# KiCad board Dremel_Battery_Charger.kicad_pcb
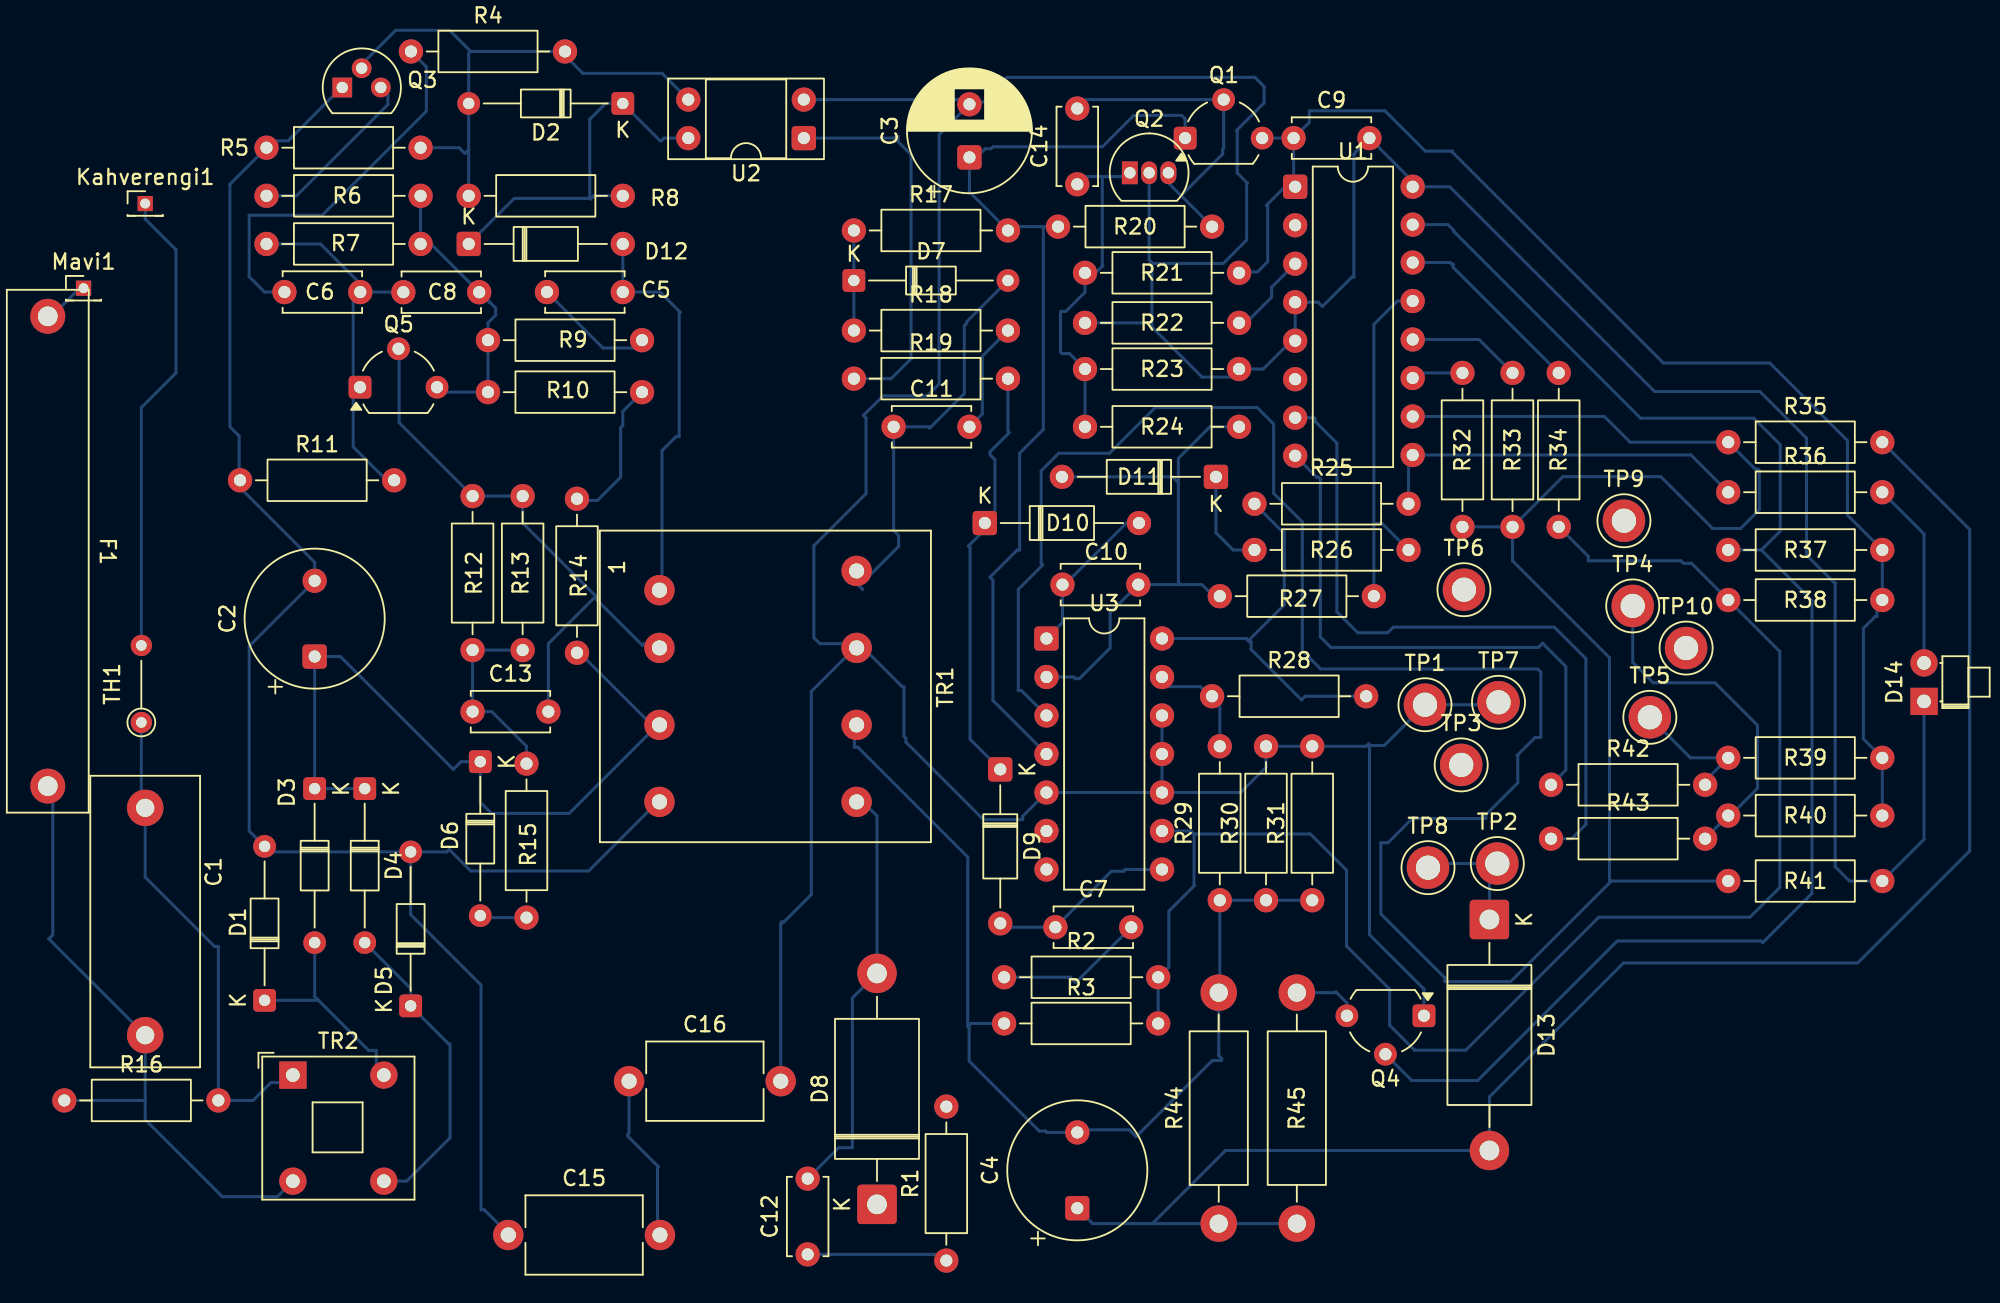
[diagram p0: board, top side]
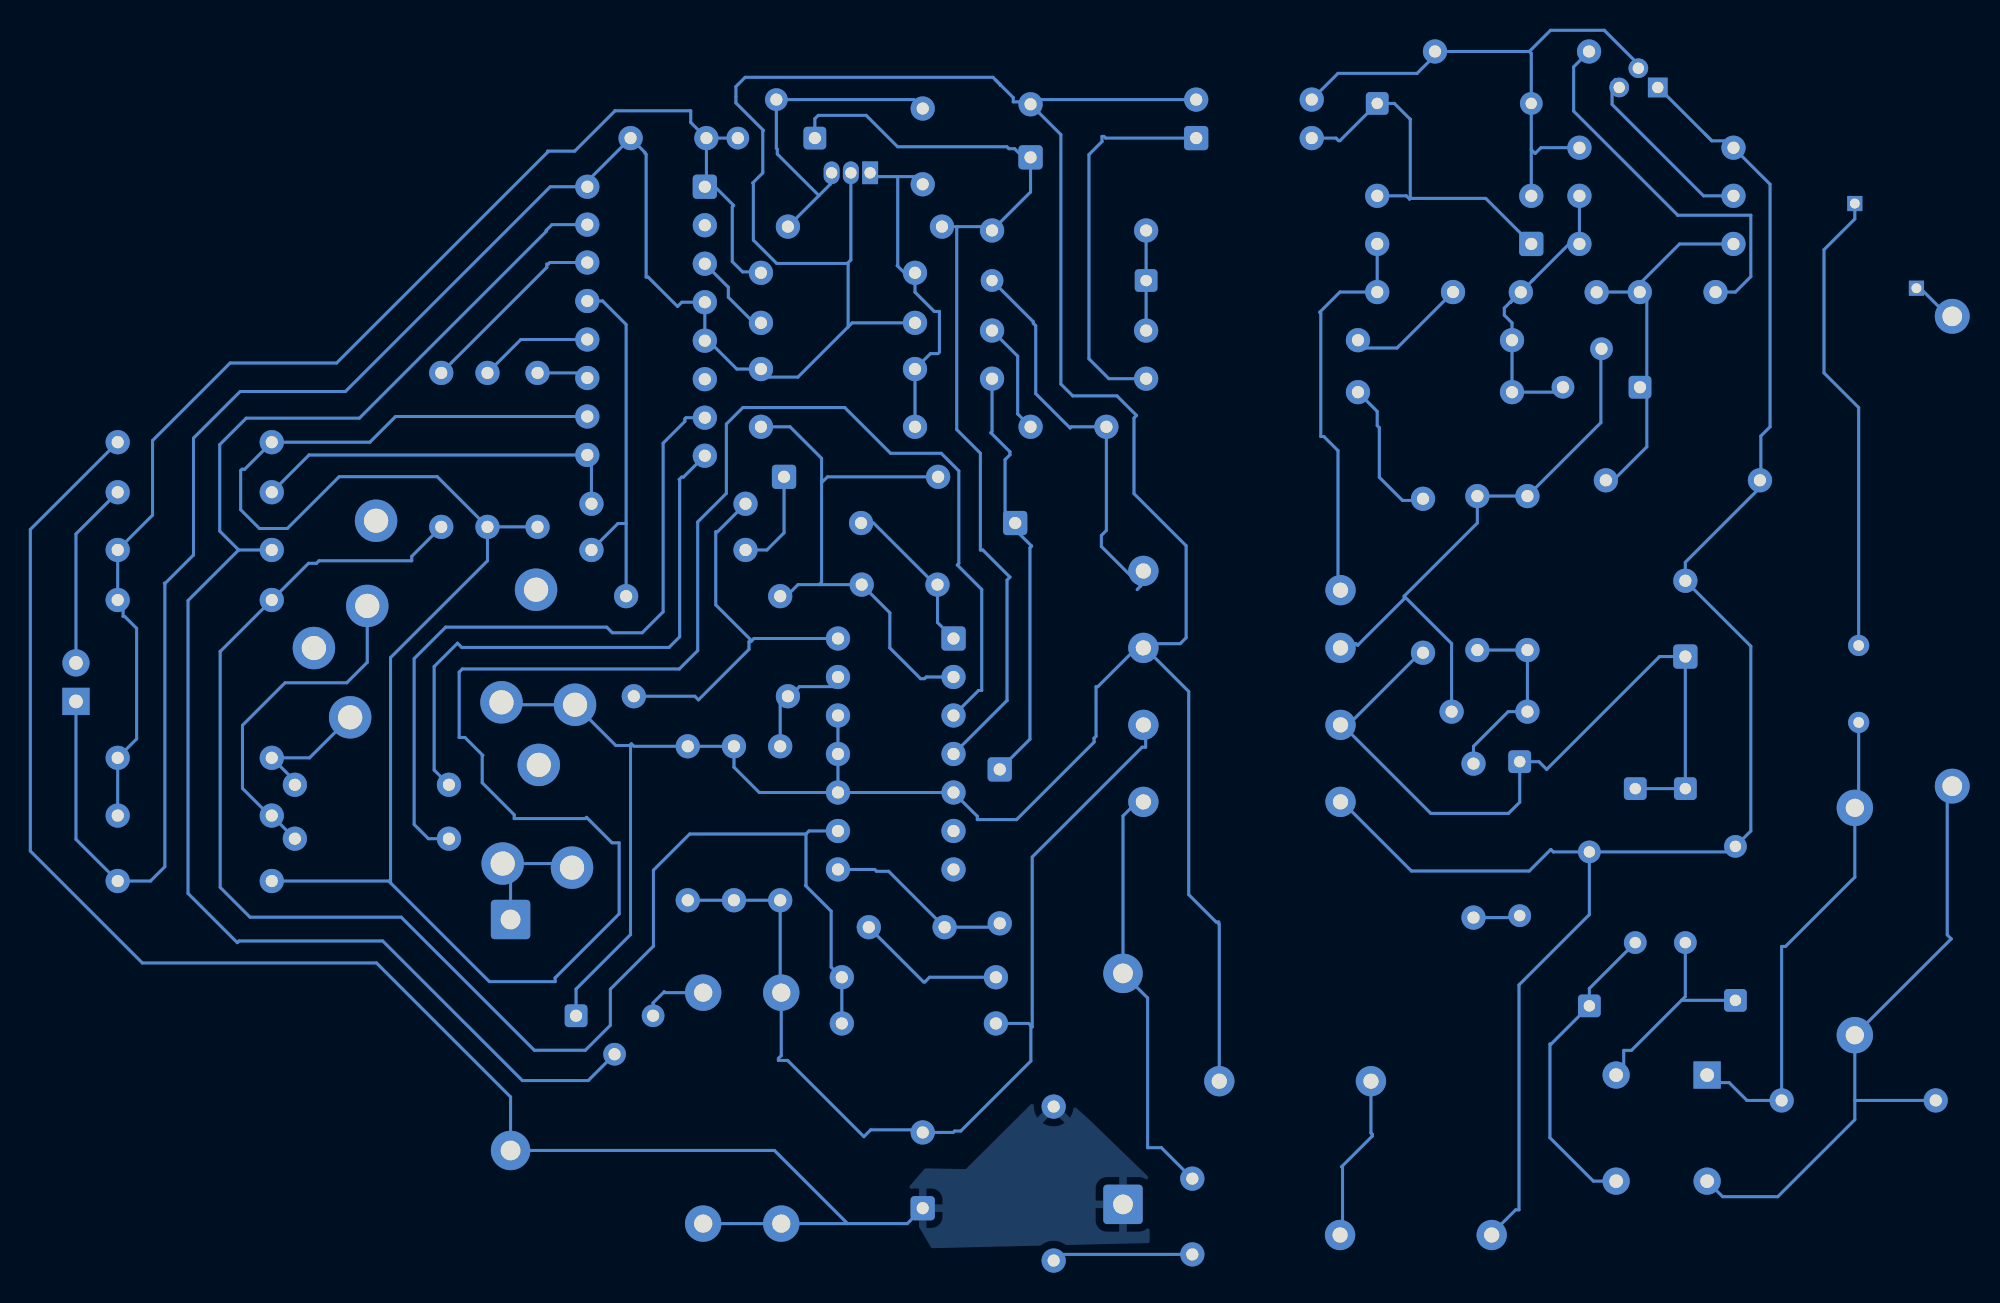
[diagram p1: board, bottom side, seen from below]

No outline. copper layers: Top, Bottom. Coordinates in mm from the lowest, leftmost part position.

## Placement (name value [footprint] x y rotation side)
C1  220nF  [C_Rect_L19.0mm_W7.0mm_P15.00mm_MKS4]  6.42 29.87 270 top
C2  22uF  [CP_Radial_Tantal_D9.0mm_P5.00mm]  17.6 39.86 90 top
C3  220uF  [CP_Radial_D8.0mm_P3.50mm]  60.78 72.8 90 top
C4  470uF  [CP_Radial_Tantal_D9.0mm_P5.00mm]  67.89 3.45 90 top
C5  10nF  [C_Disc_D5.0mm_W2.5mm_P5.00mm]  32.92 63.91 0 top
C6  100nF  [C_Disc_D5.0mm_W2.5mm_P5.00mm]  15.61 63.91 0 top
C7  10nF  [C_Disc_D5.0mm_W2.5mm_P5.00mm]  66.45 22 0 top
C8  1nF  [C_Disc_D5.0mm_W2.5mm_P5.00mm]  23.45 63.9 0 top
C9  100nF  [C_Disc_D5.0mm_W2.5mm_P5.00mm]  82.16 74.07 0 top
C10  2.2nF  [C_Disc_D5.0mm_W2.5mm_P5.00mm]  66.92 44.6 0 top
C11  1 nF  [C_Disc_D5.0mm_W2.5mm_P5.00mm]  55.78 55.02 0 top
C12  1nF  [C_Disc_D5.0mm_W2.5mm_P5.00mm]  50.11 0.41 90 top
C13  1nF  [C_Disc_D5.0mm_W2.5mm_P5.00mm]  28.01 36.22 0 top
C14  1nF  [C_Disc_D5.0mm_W2.5mm_P5.00mm]  67.89 71.02 90 top
C15  2.2 nF  [C_Disc_D7.5mm_W5.0mm_P10.00mm]  30.37 1.69 0 top
C16  2.2 nF  [C_Disc_D7.5mm_W5.0mm_P10.00mm]  38.33 11.84 0 top
D1  D  [D_DO-34_SOD68_P10.16mm_Horizontal]  14.3 17.17 90 top
D2  D  [D_DO-34_SOD68_P10.16mm_Horizontal]  37.92 76.35 180 top
D3  D  [D_DO-34_SOD68_P10.16mm_Horizontal]  17.6 31.14 270 top
D4  D  [D_DO-34_SOD68_P10.16mm_Horizontal]  20.9 31.14 270 top
D5  D  [D_DO-34_SOD68_P10.16mm_Horizontal]  23.93 16.81 90 top
D6  D  [D_DO-34_SOD68_P10.16mm_Horizontal]  28.52 32.92 270 top
D7  D  [D_DO-34_SOD68_P10.16mm_Horizontal]  53.16 64.67 0 top
D8  D  [D_DO-201AE_P15.24mm_Horizontal]  54.68 3.71 90 top
D9  ZPDxx  [D_DO-35_SOD27_P10.16mm_Horizontal]  62.81 32.41 270 top
D10  ZPDxx  [D_DO-35_SOD27_P10.16mm_Horizontal]  61.8 48.67 0 top
D11  ZPDxx  [D_DO-35_SOD27_P10.16mm_Horizontal]  77.04 51.71 180 top
D12  ZPDxx  [D_DO-35_SOD27_P10.16mm_Horizontal]  27.76 67.08 0 top
D13  D  [D_DO-201AE_P15.24mm_Horizontal]  95.07 22.5 270 top
D14  LED  [LED_D1.8mm_W1.8mm_H2.4mm_Horizontal_O1.27mm_Z1.6mm]  123.73 36.9 90 top
F1  Fuse  [Fuseholder_Littelfuse_445_030_series_5x30mm]  0 62.31 270 top
Kahverengi1  TestPoint  [PinHeader_1x01_P1.27mm_Vertical]  6.42 69.75 0 top
Mavi1  TestPoint  [PinHeader_1x01_P1.27mm_Vertical]  2.36 64.16 0 top
Q1  BC546  [TO-92L_Wide]  75 74.07 0 top
Q2  TL431LP  [TO-92_Inline]  71.36 71.78 0 top
Q3  2N3904  [TO-92L]  19.42 77.41 0 top
Q4  2N3904  [TO-92L_Wide]  90.75 16.15 180 top
Q5  STP5NK50Z  [TO-92L_Wide]  20.59 57.63 0 top
R1  10  [R_Axial_DIN0207_L6.3mm_D2.5mm_P10.16mm_Horizontal]  59.26 0 90 top
R2  10k  [R_Axial_DIN0207_L6.3mm_D2.5mm_P10.16mm_Horizontal]  63.07 18.69 0 top
R3  1k  [R_Axial_DIN0207_L6.3mm_D2.5mm_P10.16mm_Horizontal]  63.07 15.65 0 top
R4  4.79k  [R_Axial_DIN0207_L6.3mm_D2.5mm_P10.16mm_Horizontal]  23.95 79.78 0 top
R5  1k  [R_Axial_DIN0207_L6.3mm_D2.5mm_P10.16mm_Horizontal]  14.42 73.43 0 top
R6  33  [R_Axial_DIN0207_L6.3mm_D2.5mm_P10.16mm_Horizontal]  14.42 70.26 0 top
R7  3k  [R_Axial_DIN0207_L6.3mm_D2.5mm_P10.16mm_Horizontal]  14.42 67.08 0 top
R8  2k  [R_Axial_DIN0207_L6.3mm_D2.5mm_P10.16mm_Horizontal]  27.76 70.26 0 top
R9  6k  [R_Axial_DIN0207_L6.3mm_D2.5mm_P10.16mm_Horizontal]  29.03 60.73 0 top
R10  510k  [R_Axial_DIN0207_L6.3mm_D2.5mm_P10.16mm_Horizontal]  29.03 57.3 0 top
R11  1.8k  [R_Axial_DIN0207_L6.3mm_D2.5mm_P10.16mm_Horizontal]  12.68 51.49 0 top
R12  300k  [R_Axial_DIN0207_L6.3mm_D2.5mm_P10.16mm_Horizontal]  28.01 50.44 270 top
R13  300k  [R_Axial_DIN0207_L6.3mm_D2.5mm_P10.16mm_Horizontal]  31.32 50.44 270 top
R14  610k  [R_Axial_DIN0207_L6.3mm_D2.5mm_P10.16mm_Horizontal]  34.9 50.27 270 top
R15  100  [R_Axial_DIN0207_L6.3mm_D2.5mm_P10.16mm_Horizontal]  31.57 22.63 90 top
R16  1M  [R_Axial_DIN0207_L6.3mm_D2.5mm_P10.16mm_Horizontal]  1.09 10.57 0 top
R17  22R  [R_Axial_DIN0207_L6.3mm_D2.5mm_P10.16mm_Horizontal]  53.16 67.97 0 top
R18  470K  [R_Axial_DIN0207_L6.3mm_D2.5mm_P10.16mm_Horizontal]  53.16 61.37 0 top
R19  430  [R_Axial_DIN0207_L6.3mm_D2.5mm_P10.16mm_Horizontal]  53.16 58.19 0 top
R20  2k  [R_Axial_DIN0207_L6.3mm_D2.5mm_P10.16mm_Horizontal]  66.62 68.22 0 top
R21  1k  [R_Axial_DIN0207_L6.3mm_D2.5mm_P10.16mm_Horizontal]  68.4 65.18 0 top
R22  47k  [R_Axial_DIN0207_L6.3mm_D2.5mm_P10.16mm_Horizontal]  68.4 61.87 0 top
R23  1k  [R_Axial_DIN0207_L6.3mm_D2.5mm_P10.16mm_Horizontal]  68.4 58.83 0 top
R24  10k  [R_Axial_DIN0207_L6.3mm_D2.5mm_P10.16mm_Horizontal]  68.4 55.02 0 top
R25  10k  [R_Axial_DIN0207_L6.3mm_D2.5mm_P10.16mm_Horizontal]  79.58 49.94 0 top
R26  39.3k  [R_Axial_DIN0207_L6.3mm_D2.5mm_P10.16mm_Horizontal]  79.58 46.89 0 top
R27  430k  [R_Axial_DIN0207_L6.3mm_D2.5mm_P10.16mm_Horizontal]  77.29 43.84 0 top
R28  10k  [R_Axial_DIN0207_L6.3mm_D2.5mm_P10.16mm_Horizontal]  76.78 37.24 0 top
R29  1k  [R_Axial_DIN0207_L6.3mm_D2.5mm_P10.16mm_Horizontal]  77.29 23.77 90 top
R30  0.22R  [R_Axial_DIN0207_L6.3mm_D2.5mm_P10.16mm_Horizontal]  80.34 23.77 90 top
R31  0.22R  [R_Axial_DIN0207_L6.3mm_D2.5mm_P10.16mm_Horizontal]  83.39 23.77 90 top
R32  6.04k  [R_Axial_DIN0207_L6.3mm_D2.5mm_P10.16mm_Horizontal]  93.29 48.41 90 top
R33  12k  [R_Axial_DIN0207_L6.3mm_D2.5mm_P10.16mm_Horizontal]  96.59 48.41 90 top
R34  29.4k  [R_Axial_DIN0207_L6.3mm_D2.5mm_P10.16mm_Horizontal]  99.64 48.41 90 top
R35  20k  [R_Axial_DIN0207_L6.3mm_D2.5mm_P10.16mm_Horizontal]  110.82 54 0 top
R36  1K  [R_Axial_DIN0207_L6.3mm_D2.5mm_P10.16mm_Horizontal]  110.82 50.7 0 top
R37  10k  [R_Axial_DIN0207_L6.3mm_D2.5mm_P10.16mm_Horizontal]  110.82 46.89 0 top
R38  330K  [R_Axial_DIN0207_L6.3mm_D2.5mm_P10.16mm_Horizontal]  110.82 43.59 0 top
R39  20k  [R_Axial_DIN0207_L6.3mm_D2.5mm_P10.16mm_Horizontal]  110.82 33.17 0 top
R40  2.7k  [R_Axial_DIN0207_L6.3mm_D2.5mm_P10.16mm_Horizontal]  110.82 29.36 0 top
R41  25.5k  [R_Axial_DIN0207_L6.3mm_D2.5mm_P10.16mm_Horizontal]  110.82 25.04 0 top
R42  10k  [R_Axial_DIN0207_L6.3mm_D2.5mm_P10.16mm_Horizontal]  99.13 31.39 0 top
R43  10k  [R_Axial_DIN0207_L6.3mm_D2.5mm_P10.16mm_Horizontal]  99.13 27.84 0 top
R44  300R  [R_Axial_DIN0411_L9.9mm_D3.6mm_P15.24mm_Horizontal]  77.22 2.44 90 top
R45  2.2R  [R_Axial_DIN0411_L9.9mm_D3.6mm_P15.24mm_Horizontal]  82.37 2.44 90 top
TH1  15R NTC  [R_Axial_DIN0204_L3.6mm_D1.6mm_P5.08mm_Vertical]  6.17 35.51 90 top
TP1  TestPoint  [TestPoint_Keystone_5010-5014_Multipurpose]  90.82 36.68 0 top
TP2  TestPoint  [TestPoint_Keystone_5010-5014_Multipurpose]  95.59 26.2 0 top
TP3  TestPoint  [TestPoint_Keystone_5010-5014_Multipurpose]  93.21 32.71 0 top
TP4  NTC  [TestPoint_Keystone_5010-5014_Multipurpose]  104.52 43.2 0 top
TP5  COD  [TestPoint_Keystone_5010-5014_Multipurpose]  105.65 35.85 0 top
TP6  TestPoint  [TestPoint_Keystone_5010-5014_Multipurpose]  93.39 44.27 0 top
TP7  TestPoint  [TestPoint_Keystone_5010-5014_Multipurpose]  95.67 36.84 0 top
TP8  TestPoint  [TestPoint_Keystone_5010-5014_Multipurpose]  91.02 25.93 0 top
TP9  NTC  [TestPoint_Keystone_5010-5014_Multipurpose]  103.94 48.82 0 top
TP10  TestPoint  [TestPoint_Keystone_5010-5014_Multipurpose]  108.04 40.42 0 top
TR1  ~  [charger_trafo]  40.34 44.24 270 top
TR2  common Mode choke  [SW_Push_2P1T_Toggle_CK_PVA1xxH1xxxxxxV2]  16.66 11.74 0 top
U1  ~  [DIP-14_W7.62mm]  82.26 70.86 0 top
U2  PC817  [DIP-4_W7.62mm_Socket]  49.86 74.07 180 top
U3  LM324A  [DIP-14_W7.62mm#2]  65.86 41.05 0 top

## Library data of the parts
C1 C5-C16 = -: Description: Unpolarized capacitor; ki_fp_filters: C_*
C2-C4 = -: Description: Polarized capacitor; ki_fp_filters: CP_*
D1-D8 D13 = -: Description: Diode; Sim.Pins: 1=K 2=A; ki_fp_filters: TO-???* *_Diode_* *SingleDiode* D_*
D9-D12 = -: Datasheet: http://diotec.com/tl_files/diotec/files/pdf/datasheets/zpd1; Description: 500mW Zener Diode, DO-35; ki_fp_filters: D*DO?35*
D14 = -: Description: Light emitting diode; Sim.Pins: 1=K 2=A; ki_fp_filters: LED* LED_SMD:* LED_THT:*
F1 = -: ki_fp_filters: *Fuse*
Kahverengi1 Mavi1 TP1-TP10 = -: Description: test point; ki_fp_filters: Pin* Test*
Q1 = -: Datasheet: https://www.onsemi.com/pub/Collateral/BC550-D.pdf; Description: 0.1A Ic, 65V Vce, Small Signal NPN Transistor, TO-92; ki_fp_filters: TO?92*
Q2 = -: Datasheet: http://www.ti.com/lit/ds/symlink/tl431.pdf; Description: Shunt Regulator, TO-92; ki_fp_filters: TO*92*
Q3 Q4 = -: Datasheet: https://www.onsemi.com/pub/Collateral/2N3903-D.PDF; Description: 0.2A Ic, 40V Vce, Small Signal NPN Transistor, TO-92; ki_fp_filters: TO?92*
Q5 = -: Description: N-MOSFET transistor, gate/drain/source
R1-R45 = -: Description: Resistor; ki_fp_filters: R_*
TH1 = -: Description: Temperature dependent resistor, negative temperature coefficient; ki_fp_filters: *NTC* *Thermistor* PIN?ARRAY* bornier* *Terminal?Block* R_*
U2 = -: Datasheet: http://www.soselectronic.cz/a_info/resource/d/pc817.pdf; Description: DC Optocoupler, Vce 35V, CTR 50-300%, DIP-4; ki_fp_filters: DIP*W7.62mm*
U3 = -: Datasheet: http://www.ti.com/lit/ds/symlink/lm2902-n.pdf; Description: Low-Power, Quad-Operational Amplifiers, DIP-14/SOIC-14/SSOP-14; ki_fp_filters: SOIC*3.9x8.7mm*P1.27mm* DIP*W7.62mm* TSSOP*4.4x5mm*P0.65mm* SSOP*5.3x6.2mm*P0.65mm* MSOP*3x3mm*P0.5mm*

## Footprints (pads in the part's own frame, mm; a bottom-side part is the same pattern mirrored in y, then rotated)
C_Disc_D5.0mm_W2.5mm_P5.00mm
  round 1.6 hole 0.8: 1(0,0) 2(5,0)
C_Disc_D7.5mm_W5.0mm_P10.00mm
  round 2 hole 1: 1(0,0) 2(10,0)
C_Rect_L19.0mm_W7.0mm_P15.00mm_MKS4
  round 2.4 hole 1.2: 1(0,0) 2(15,0)
charger_trafo
  round 2 hole 1: 1(0,0) 2(3.81,0) 3(8.89,0) 4(13.97,0) 5(13.97,13) 6(8.89,13) 7(3.81,13) 8(-1.27,13)
CP_Radial_D8.0mm_P3.50mm
  rrect 1.6x1.6 hole 0.8: 1(0,0)
  round 1.6 hole 0.8: 2(3.5,0)
CP_Radial_Tantal_D9.0mm_P5.00mm
  rrect 1.6x1.6 hole 0.8: 1(0,0)
  round 1.6 hole 0.8: 2(5,0)
D_DO-34_SOD68_P10.16mm_Horizontal
  rrect 1.5x1.5 hole 0.75: 1(0,0)
  round 1.5 hole 0.75: 2(10.16,0)
D_DO-35_SOD27_P10.16mm_Horizontal
  rrect 1.6x1.6 hole 0.8: 1(0,0)
  round 1.6 hole 0.8: 2(10.16,0)
D_DO-201AE_P15.24mm_Horizontal
  rrect 2.6x2.6 hole 1.3: 1(0,0)
  round 2.6 hole 1.3: 2(15.24,0)
DIP-4_W7.62mm_Socket
  rrect 1.6x1.6 hole 0.8: 1(0,0)
  round 1.6 hole 0.8: 2(0,-2.54) 3(7.62,-2.54) 4(7.62,0)
DIP-14_W7.62mm
  rrect 1.6x1.6 hole 0.8: 1(0,0)
  round 1.6 hole 0.8: 2(0,-2.54) 3(0,-5.08) 4(0,-7.62) 5(0,-10.16) 6(0,-12.7) 7(0,-15.24) 8(0,-17.75) 9(7.75,-17.7) 10(7.75,-15.16) 11(7.75,-12.62) 12(7.75,-10.08) 13(7.75,-7.54) 14(7.75,-5) 15(7.75,-2.5) 16(7.75,0)
DIP-14_W7.62mm#2
  rrect 1.6x1.6 hole 0.8: 1(0,0)
  round 1.6 hole 0.8: 2(0,-2.54) 3(0,-5.08) 4(0,-7.62) 5(0,-10.16) 6(0,-12.7) 7(0,-15.24) 8(7.62,-15.24) 9(7.62,-12.7) 10(7.62,-10.16) 11(7.62,-7.62) 12(7.62,-5.08) 13(7.62,-2.54) 14(7.62,0)
Fuseholder_Littelfuse_445_030_series_5x30mm
  round 2.3 hole 1.3: 1(0,0) 2(31,0)
LED_D1.8mm_W1.8mm_H2.4mm_Horizontal_O1.27mm_Z1.6mm
  rect 1.8x1.8 hole 0.9: 1(0,0)
  round 1.8 hole 0.9: 2(2.54,0)
PinHeader_1x01_P1.27mm_Vertical
  rect 1x1 hole 0.65: 1(0,0)
R_Axial_DIN0204_L3.6mm_D1.6mm_P5.08mm_Vertical
  round 1.4 hole 0.7: 1(0,0) 2(5.08,0)
R_Axial_DIN0207_L6.3mm_D2.5mm_P10.16mm_Horizontal
  round 1.6 hole 0.8: 1(0,0) 2(10.16,0)
R_Axial_DIN0411_L9.9mm_D3.6mm_P15.24mm_Horizontal
  round 2.4 hole 1.2: 1(0,0) 2(15.24,0)
SW_Push_2P1T_Toggle_CK_PVA1xxH1xxxxxxV2
  rect 1.8x1.8 hole 0.9: 1(-0.5,0.5)
  round 1.8 hole 0.9: 2(5.5,0.5) 3(5.5,-6.5) 4(-0.5,-6.5)
TestPoint_Keystone_5010-5014_Multipurpose
  round 2.8 hole 1.6: 1(0,0)
TO-92_Inline
  rect 1.05x1.5 hole 0.75: 1(0,0)
  oval 1.05x1.5 hole 0.75: 2(1.27,0) 3(2.54,0)
TO-92L
  rect 1.3x1.3 hole 0.75: 1(0,0)
  round 1.3 hole 0.75: 2(1.28,1.27) 3(2.54,0)
TO-92L_Wide
  rrect 1.5x1.5 hole 0.8: 1(0,0)
  round 1.5 hole 0.8: 2(2.54,2.54) 3(5.08,0)

## Nets
400V: C2.1 D3.1 D4.1 D6.1 R14.2 TR1.3
+5V: C9.1 Q1.3 R21.2 R37.2 R38.2 R39.2 R40.2 U1.1
GND: C3.2 C9.2 C16.2 D14.1 Q2.2 Q4.1 R22.1 R23.2 R30.2 R31.2 R41.2 TP1.1 TP7.1 TR1.7 U1.4 U1.5 U1.16 U2.2 U3.5 U3.10 U3.11 U3.12
GND1: C4.2 R3.1 R29.1 R30.1 R31.1 R44.2 TR1.6
VCC: C3.1 Q1.1 R17.2 R20.1 U3.4
AKKU+: D13.1 TP2.1 TP8.1
Earth: C2.2 C15.1 D1.2 D5.2 Q3.1 R5.1 R11.1 TR1.4
feedback: D9.1 D10.1 R19.2
feedback1: R34.2 U1.14
feedback2: C10.2 D11.2 R24.2 R27.1 U3.2
LED: R25.2 R36.1 U1.9
ON/OFF: Q4.2 R37.1 U1.15
opamp3pin: R32.1 R33.1 R35.1 R41.1 U1.10 U3.3
r27out: R26.2 R27.2 U1.13
r33out: R33.2 U1.12
Vc: C4.1 D8.1 D13.2 R1.2 R35.2 R44.1 R45.1
Net-(C1-Pad1): C1.1 R16.2 TH1.1 TR2.1
Net-(C1-Pad2): C1.2 F1.2 R16.1 TR2.4
Net-(C5-Pad1): C5.1 R9.2
Net-(C6-Pad1): C6.1 R4.1
Net-(C7-Pad2): C7.2 R2.1
Net-(C11-Pad2): C11.2 R18.2
Net-(C12-Pad1): C12.1 R1.1
Net-(C13-Pad1): C13.1 R12.2 R13.2 R15.2
Net-(C15-Pad2): C15.2 C16.1
Net-(D1-K): D1.1 D3.2 TR2.2
Net-(D2-A): D2.2 Q3.2 R4.2 R5.2 R8.1 U2.3
Net-(D4-A): D4.2 D5.1 TR2.3
Net-(D6-A): D6.2 R15.1
Net-(D7-A): C11.1 D7.2 TR1.8
Net-(D7-K): D7.1 R17.1 R18.1
Net-(D8-A): C12.2 D8.2 TR1.5
Net-(D9-A): C7.1 D9.2 U3.8
Net-(D10-A): C10.1 D10.2 U3.1
Net-(D11-K): D11.1 R26.1
Net-(D12-A): C5.2 D12.2 TR1.1
Net-(D12-K): D2.1 D12.1 R8.2 U2.4
Net-(D14-A): D14.2 R36.2
Net-(F1-Pad1): F1.1 Mavi1.1
Net-(Kahverengi1-Pad1): Kahverengi1.1 TH1.2
Net-(Q1-B): C14.2 Q1.2 Q2.3 R20.2
Net-(Q2-REF): C14.1 Q2.1 R21.1 R23.1 R24.1
Net-(Q3-C): Q3.3 R6.1
Net-(Q4-C): Q4.3 R45.2
Net-(Q5-D): C13.2 Q5.2 R12.1 R13.1 TR1.2
Net-(Q5-G): C8.2 Q5.3 R6.2 R7.2 R9.1 R10.1
Net-(Q5-S): C6.2 C8.1 Q5.1 R7.1 R11.2
Net-(R10-Pad2): R10.2 R14.1
Net-(R19-Pad1): R19.1 U2.1
Net-(R22-Pad2): R22.2 U1.3
Net-(R25-Pad1): R25.1 R28.2 U3.14
Net-(R32-Pad2): R32.2 U1.11
Net-(R39-Pad1): R39.1 R42.2 TP5.1
Net-(R40-Pad1): R40.1 R43.2 TP4.1
Net-(R42-Pad1): R42.1 U1.8
Net-(R43-Pad1): R43.1 U1.7
Net-(U3C--): R2.2 R3.2 R34.1 R38.1 U3.9
Net-(U3D--): R28.1 R29.2 U3.13

Pads without a net: TP3 1; TP6 1; TP9 1; TP10 1; U1 2 6; U3 6 7

## Routing (per net, layer and track width the routed paths; a pad name or vN(x,y) marks a point on that pad's centre or on a via; arc(x,y) is an arc through that point)
400V: length 51
  Bottom w0.2: 35.12,40.06 39.55,35.63 40.5,35.63 34.39,29.51 29.26,29.51 28.52,30.24 D6.1 27.25,32.92 26.74,32.41 19.3,39.86 C2.1 D3.1 D4.1
+5V: length 87.2
  Bottom w0.2: C9.1 Q1.3 ; C9.1 83.19,75.1 83.19,75.87 88.19,75.87 88.19,75.86 90.84,73.21 92.62,73.21 92.62,73.15 106.54,59.23 113.56,59.23 118.68,54.11 118.68,49.19 R37.2 R38.2 120.62,43.23 120.62,42.5 120.51,42.5 119.73,41.72 119.73,34.42 R39.2 R40.2 ; C9.1 82.16,70.96 U1.1 81.59,70.86 80.36,69.63 80.45,69.54 80.45,65.92 79.77,65.24 78.62,65.24 R21.2
GND: length 330
  Bottom w0.2: 72.81,61.61 72.81,65.75 72.86,65.8 ; 72.81,61.61 76.12,58.3 78.03,58.3 R23.2 80.15,58.83 81.65,60.33 81.89,60.33 U1.5 U1.4 83.78,63.24 84.06,62.96 86,64.9 86.13,64.9 86.13,73 86.21,73.08 86.21,73.12 C9.2 90.01,71.21 U1.16 92.45,70.86 105.96,57.35 112.9,57.35 115.98,54.27 115.98,46.56 117.84,44.7 117.9,44.7 117.87,44.67 117.87,25.99 118.81,25.04 R41.2 123.73,27.8 D14.1 ; 72.81,61.61 72.54,61.87 R22.1 ; U3.10 U3.11 U3.12 ; U3.10 U3.5 64.29,29.32 64.29,29.1 61.7,29.1 56.59,34.21 56.59,34.47 56.46,34.6 56.46,37.87 56.34,37.87 53.5,40.71 ; U3.10 78.67,30.89 80.34,32.55 R30.2 R31.2 86.94,33.93 87.1,34.1 87.16,34.04 87.16,33.87 87.16,33.99 ; 53.5,40.71 50.91,40.71 50.52,41.1 50.52,47.17 53.96,50.61 53.96,55.6 53.79,55.77 55.08,57.06 58,57.06 58.78,57.84 58.78,74.3 C3.2 ; 53.5,40.71 50.35,37.55 50.35,24.15 48.54,22.34 48.37,22.34 48.37,22.21 48.33,22.17 C16.2 ; Q4.1 90.75,17.91 87.16,21.51 87.16,33.99 ; 87.16,33.99 88.13,33.99 TP1.1 95.51,36.68 TP7.1 ; U2.2 60.47,76.61 C3.2 ; 63.07,77.89 63.26,78.08 79.6,78.08 80.21,77.47 80.21,76.39 78.4,74.58 78.44,74.54 78.44,71.77 79.1,71.11 79.06,71.07 79.06,67.34 77.52,65.8 72.86,65.8 ; 63.07,77.89 61.92,76.74 61.92,76.46 60.94,76.46 C3.2 ; 63.07,77.89 62.77,77.59 62.77,77.54 ; 72.86,65.8 72.63,66.03 Q2.2
GND1: length 66.1
  Bottom w0.2: R31.1 R29.1 77.29,17.75 R44.2 77.22,13.53 77.41,13.34 77.41,13.21 76.8,13.21 71.77,8.18 71.32,8.63 68.08,8.63 67.91,8.45 C4.2 65.88,8.45 65.79,8.55 65.38,8.55 60.76,13.17 60.76,15.51 ; 60.76,15.51 60.67,15.42 60.67,26.63 53.42,33.88 53.19,33.88 53.19,35.31 53.5,35.63 ; 60.76,15.51 60.9,15.65 R3.1
VCC: length 64
  Bottom w0.2: R20.1 65.57,68.22 ; 65.57,68.22 65.65,68.14 65.65,54.84 64.09,53.28 64.09,46.89 63.93,46.89 62.14,45.1 62.33,44.91 62.33,36.95 62.34,36.95 U3.4 ; 65.57,68.22 63.57,68.22 R17.2 60.78,70.51 C3.1 61.26,72.8 61.83,73.37 62.21,73.37 62.34,73.5 69.55,73.5 71.62,75.57 74.78,75.57 75,75.34 Q1.1
AKKU+: length 8.6
  Bottom w0.2: TP8.1 91.29,26.2 TP2.1 95.07,25.68 D13.1
Earth: length 116.3
  Bottom w0.2: 30.21,1.93 28.79,3.35 28.57,3.35 28.57,18.19 23.93,22.83 D5.2 ; 19.67,77.94 19.67,77.71 15.86,73.89 ; D5.2 26.31,26.97 26.47,27.13 27.89,25.71 35.67,25.71 40.5,30.55 ; D5.2 14.74,26.97 14.38,27.33 D1.2 13.28,28.35 13.28,40.54 C2.2 17.6,46.08 12.62,51.05 12.62,54.41 12.01,55.02 12.01,71.02 R5.1 14.88,73.89 15.85,73.89 16.33,74.37
feedback: length 28.1
  Bottom w0.2: R19.2 63.32,54.71 63.4,54.63 62.14,53.37 62.14,53.17 62.46,52.85 62.46,49.33 D10.1 61.8,48.23 60.71,47.15 60.82,47.04 60.82,34.4 D9.1
feedback1: length 12.8
  Bottom w0.2: U1.14 92.48,65.86 92.59,65.75 92.68,65.75 92.68,65.53 R34.2
feedback2: length 36.8
  Bottom w0.2: 74.72,44.6 74.56,44.76 74.56,51.33 ; 74.72,44.6 76.11,44.6 76.88,43.84 R27.1 ; 74.72,44.6 C10.2 70.06,42.75 70.06,40.43 68.03,38.4 67.77,38.4 67.66,38.51 U3.2 ; 74.56,51.33 74.56,52.94 76.64,55.02 R24.2 ; 74.56,51.33 74.17,51.71 D11.2
LED: length 25.2
  Bottom w0.2: R36.1 108.36,53.16 U1.9 89.74,52.88 R25.2
ON/OFF: length 98
  Bottom w0.2: U1.15 92.34,68.36 92.72,67.98 92.72,67.91 105.04,55.59 112.5,55.59 114.25,53.84 114.25,48.14 113,46.89 ; Q4.2 89.95,11.88 94.29,11.88 103.5,21.09 112.98,21.09 113.09,20.98 116.34,24.23 116.34,43.55 113,46.89 ; 113,46.89 R37.1
opamp3pin: length 194.7
  Bottom w0.2: R41.1 103.11,25.04 102.99,24.92 ; U3.3 64.21,37.62 64,37.62 64,44.29 65.61,45.9 65.51,46 65.51,52.11 66.67,53.27 70.01,53.27 73.03,56.29 79.75,56.29 80.84,55.2 80.84,50.63 82.73,48.74 82.73,40.25 83.94,39.04 98.25,39.04 98.46,38.83 98.46,34.52 98.08,34.52 96.9,33.34 96.94,33.3 96.94,31.53 94.83,29.42 94.83,29.17 90.14,29.17 90.06,29.25 88.38,27.57 87.91,27.57 87.91,22.88 92.13,18.66 92.13,18.41 96.47,18.41 102.99,24.92 ; U1.10 102.65,55.7 104.35,54 R35.1 112.6,52.22 112.78,52.22 112.87,52.13 112.87,49.55 111.63,48.31 109.79,48.31 106.37,51.73 99.91,51.73 R33.1 ; R33.1 R32.1 ; R33.1 96.59,46.17 102.99,39.78 102.99,24.92
r27out: length 24.1
  Bottom w0.2: 87.45,48.64 87.45,61.77 89,63.32 U1.13 ; 87.45,48.64 87.99,48.64 R26.2 ; 87.45,48.64 R27.2
r33out: length 7.5
  Bottom w0.2: U1.12 94.39,60.78 R33.2
Vc: length 110.4
  Bottom w0.2: 72.86,2.44 72.86,2.46 77.67,7.26 D13.2 95.07,10.8 103.91,19.64 119.35,19.64 126.74,27.03 126.74,48.24 R35.2 ; 72.86,2.44 R44.1 R45.1 ; 72.86,2.44 68.91,2.44 C4.1
Net-(C1-Pad1): length 33.1
  Bottom w0.2: TH1.1 6.17,30.12 C1.1 6.42,25.3 11,20.73 11.25,20.73 R16.2 13.54,10.57 14.71,11.74 16.66,11.74
Net-(C1-Pad2): length 42.4
  Bottom w0.2: 0.33,31.38 0.33,21.49 0.07,21.23 0.07,21.22 C1.2 6.42,10.57 ; TR2.4 15.14,4.22 11.5,4.22 6.42,9.3 6.42,10.57 ; 6.42,10.57 R16.1
Net-(C5-Pad1): length 8
  Bottom w0.2: C5.1 36.61,60.22 38.67,60.22 R9.2
Net-(C6-Pad1): length 25.7
  Bottom w0.2: R4.1 24.97,78.77 24.97,75.84 18.11,68.99 18.11,68.98 13.28,68.98 13.28,64.92 14.3,63.91 C6.1
Net-(C7-Pad2): length 10
  Bottom w0.2: C7.2 67.84,18.39 67.75,18.39 67.44,18.69 R2.1
Net-(C11-Pad2): length 7.4
  Bottom w0.2: C11.2 61.63,55.87 61.63,59.68 R18.2
Net-(C12-Pad1): length 9.3
  Bottom w0.2: R1.1 58.85,0.41 C12.1
Net-(C13-Pad1): length 13
  Bottom w0.2: R13.2 R12.2 C13.1 29.28,36.22 31.57,33.93 R15.2
Net-(C15-Pad2): length 10.8
  Bottom w0.2: 40.21,1.93 40.21,6.12 40.27,6.19 38.25,8.21 38.25,8.34 38.33,8.42 C16.1
Net-(D1-K): length 14.5
  Bottom w0.2: 17.85,17.17 17.6,17.42 D3.2 ; 17.85,17.17 D1.1 ; 17.85,17.17 21.16,13.87 21.66,13.87 21.66,12.74 TR2.2
Net-(D2-A): length 37.4
  Bottom w0.2: 20.79,79.02 22.94,81.18 26.49,81.18 27.89,79.78 ; 27.89,79.78 27.76,79.65 D2.2 27.76,73.3 ; 27.89,79.78 R4.2 34.11,79.52 35.29,78.34 40.51,78.34 U2.3 ; R5.2 27.12,73.43 27.51,73.05 27.76,73.3 ; 27.76,73.3 R8.1
Net-(D4-A): length 20.8
  Bottom w0.2: TR2.3 23.66,5.24 26.53,8.11 26.53,14.29 26.45,14.29 D5.1 23.93,17.95 D4.2
Net-(D6-A): length 3.1
  Bottom w0.2: R15.1 28.65,22.63 D6.2
Net-(D7-A): length 26.5
  Bottom w0.2: 53.5,44.52 56.11,47.12 56.11,47.85 55.78,48.18 C11.1 58.09,55.02 58.17,54.94 60.44,57.21 60.44,61.69 60.6,61.85 60.6,61.95 D7.2 63.32,64.65 63.23,64.56 ; 53.51,44.52 53.75,44.28
Net-(D7-K): length 6.6
  Bottom w0.2: R18.1 R17.1
Net-(D8-A): length 28
  Bottom w0.2: C12.2 52.15,7.45 53.06,7.45 53.06,17.32 D8.2 54.68,29.34 53.5,30.52
Net-(D9-A): length 12.4
  Bottom w0.2: D9.2 62.82,22.25 62.85,22.28 62.85,22.22 63.08,22 C7.1 70.14,25.69 70.94,25.69 71.06,25.81 U3.8
Net-(D10-A): length 10.7
  Bottom w0.2: D10.2 71.13,48.67 67.07,44.6 C10.1 66.92,42.1 U3.1
Net-(D11-K): length 6.7
  Bottom w0.2: R26.1 78.17,46.89 77.04,48.02 D11.1
Net-(D12-A): length 26.2
  Bottom w0.2: D12.2 C5.2 40.38,63.91 41.71,62.58 41.64,62.51 41.64,54.38 41.44,54.38 40.5,53.44 40.5,44.52
Net-(D12-K): length 24.8
  Bottom w0.2: 35.79,70.05 36,70.26 R8.2 ; 35.79,70.05 35.74,70.1 35.74,75.32 35.75,75.32 36.79,76.35 D2.1 40.38,73.9 40.47,73.9 40.64,74.07 U2.4 ; 35.79,70.05 35.75,70.09 30.76,70.09 27.76,67.09 D12.1
Net-(D14-A): length 12.4
  Bottom w0.2: D14.2 123.73,47.95 R36.2
Net-(F1-Pad1): length 2.8
  Bottom w0.2: Mavi1.1 2.11,64.16 0.33,62.38
Net-(Kahverengi1-Pad1): length 30.9
  Bottom w0.2: Kahverengi1.1 6.42,68.73 8.46,66.7 8.46,58.57 6.17,56.29 TH1.2
Net-(Q1-B): length 21.9
  Bottom w0.2: 74.74,70.27 73.99,71.02 73.99,71.53 ; 74.74,70.27 R20.2 ; 74.74,70.27 77.48,73.02 77.48,73.34 77.54,73.4 Q1.2 68.48,76.61 C14.2
Net-(Q2-REF): length 23
  Bottom w0.2: 71.45,71.53 69.54,71.53 ; 69.54,71.53 69.54,65.68 69.57,65.65 69.1,65.18 R21.1 68.4,63.9 67.13,62.63 66.79,62.63 66.79,59.95 66.89,59.85 67.38,59.85 R23.1 R24.1 ; 69.54,71.53 68.4,71.53 C14.1
Net-(Q3-C): length 12.3
  Bottom w0.2: 22.17,77.88 22.17,77.9 22.21,77.94 22.43,77.72 22.43,76.29 16.4,70.26 R6.1
Net-(Q4-C): length 4.5
  Bottom w0.2: R45.2 84.88,17.68 84.94,17.74 85.67,17 Q4.3
Net-(Q5-D): length 38.9
  Bottom w0.2: 40.5,40.71 39.32,40.71 39.21,40.6 36.14,43.66 36.14,43.84 ; 36.14,43.84 33.01,40.71 C13.2 ; 36.14,43.84 31.32,48.67 R13.1 R12.1 23.17,55.29 23.17,60.17 22.75,60.17 22.68,60.1
Net-(Q5-G): length 22
  Bottom w0.2: R6.2 R7.2 25.27,67.08 27.64,64.71 ; 25.22,57.56 25.47,57.3 R10.1 R9.1 29.03,61.87 29.54,62.38 29.54,62.85 28.48,63.91 ; C8.2 29.12,63.23 29.16,63.23 28.49,63.9 C8.2 ; C8.2 27.64,64.71 ; C8.2 28.09,63.9 28.08,63.91 ; 27.64,64.71 27.72,64.63
Net-(Q5-S): length 24.8
  Bottom w0.2: R7.1 17.98,67.08 20.61,64.45 C6.2 ; 22.78,51.05 20.14,53.7 20.14,63.44 C6.2 ; C6.2 23.48,63.91
Net-(R10-Pad2): length 9.5
  Bottom w0.2: 35.12,50.22 35.18,50.16 36.25,50.16 37.78,51.69 37.78,54.96 37.92,55.1 37.92,56.03 R10.2
Net-(R19-Pad1): length 25.6
  Bottom w0.2: U2.1 55.83,74.07 55.94,74.18 56.07,74.18 56.07,73.84 56.93,72.98 56.93,59.51 55.62,58.19 R19.1
Net-(R22-Pad2): length 5.7
  Bottom w0.2: U1.3 80.71,64.23 80.71,63.57 79.02,61.87 R22.2
Net-(R25-Pad1): length 26.4
  Bottom w0.2: 79.17,40.9 79.23,40.84 79.35,40.84 79.35,40.33 82.68,37 82.92,37.24 R28.2 ; 79.17,40.9 81.54,43.27 81.54,48.09 81.43,48.09 R25.1 ; 79.17,40.9 79.02,41.05 U3.14
Net-(R32-Pad2): length 3.4
  Bottom w0.2: R32.2 90.35,58.57 U1.11
Net-(R39-Pad1): length 8.7
  Bottom w0.2: R42.2 109.29,31.65 R39.1 108.32,33.17 TP5.1
Net-(R40-Pad1): length 22.7
  Bottom w0.2: R43.2 R40.1 110.96,29.36 112.75,31.16 112.75,35.32 109.94,38.13 105.87,38.13 104.52,39.48 TP4.1
Net-(R42-Pad1): length 38.2
  Bottom w0.2: R42.1 100.11,32.37 100.11,39.2 98.57,40.74 98.29,40.46 84.62,40.46 83.92,41.16 83.92,51.51 83.95,51.54 83.79,51.7 83.67,51.7 U1.8
Net-(R43-Pad1): length 46.3
  Bottom w0.2: R43.1 100.49,27.84 101.43,28.78 101.43,39.72 99.35,41.8 88.73,41.8 88.36,41.43 86.39,41.43 85.01,42.81 85.01,53.94 83.58,55.37 83.58,55.54 83.5,55.62 U1.7
Net-(U3C--): length 102.8
  Bottom w0.2: 75.59,28.15 83.26,28.15 85.65,25.76 85.65,20.75 88.49,17.91 88.49,15.53 90.14,13.88 93.5,13.88 102.28,22.66 112.25,22.66 114.22,24.63 114.22,40.2 114.21,40.2 R38.1 108.4,46.01 107.87,46.01 107.7,46.18 101.59,46.18 101.59,46.46 R34.1 ; 75.59,28.15 75.39,28.35 U3.9 ; 75.59,28.15 75.59,24.78 75.62,24.75 73.93,23.06 73.93,19.37 73.26,18.69 R2.2 R3.2
Net-(U3D--): length 7.6
  Bottom w0.2: R29.2 77.29,36.73 R28.1 ; 77.29,37.24 76.66,37.24 76.02,37.87 73.48,37.87

## Copper pours and planes (outline as drawn; the poured copper is in the pictures)
Vc on Bottom: 58.79,11.13 52.97,5.49 52.92,1.16 67.32,0.82 69.32,4.27 67.74,6.09 65.05,6.04 60.03,11.04 58.3,11.22 58.06,10.35 56.9,9.29
